# Altium PCB iotaCore.PcbDoc (continued)
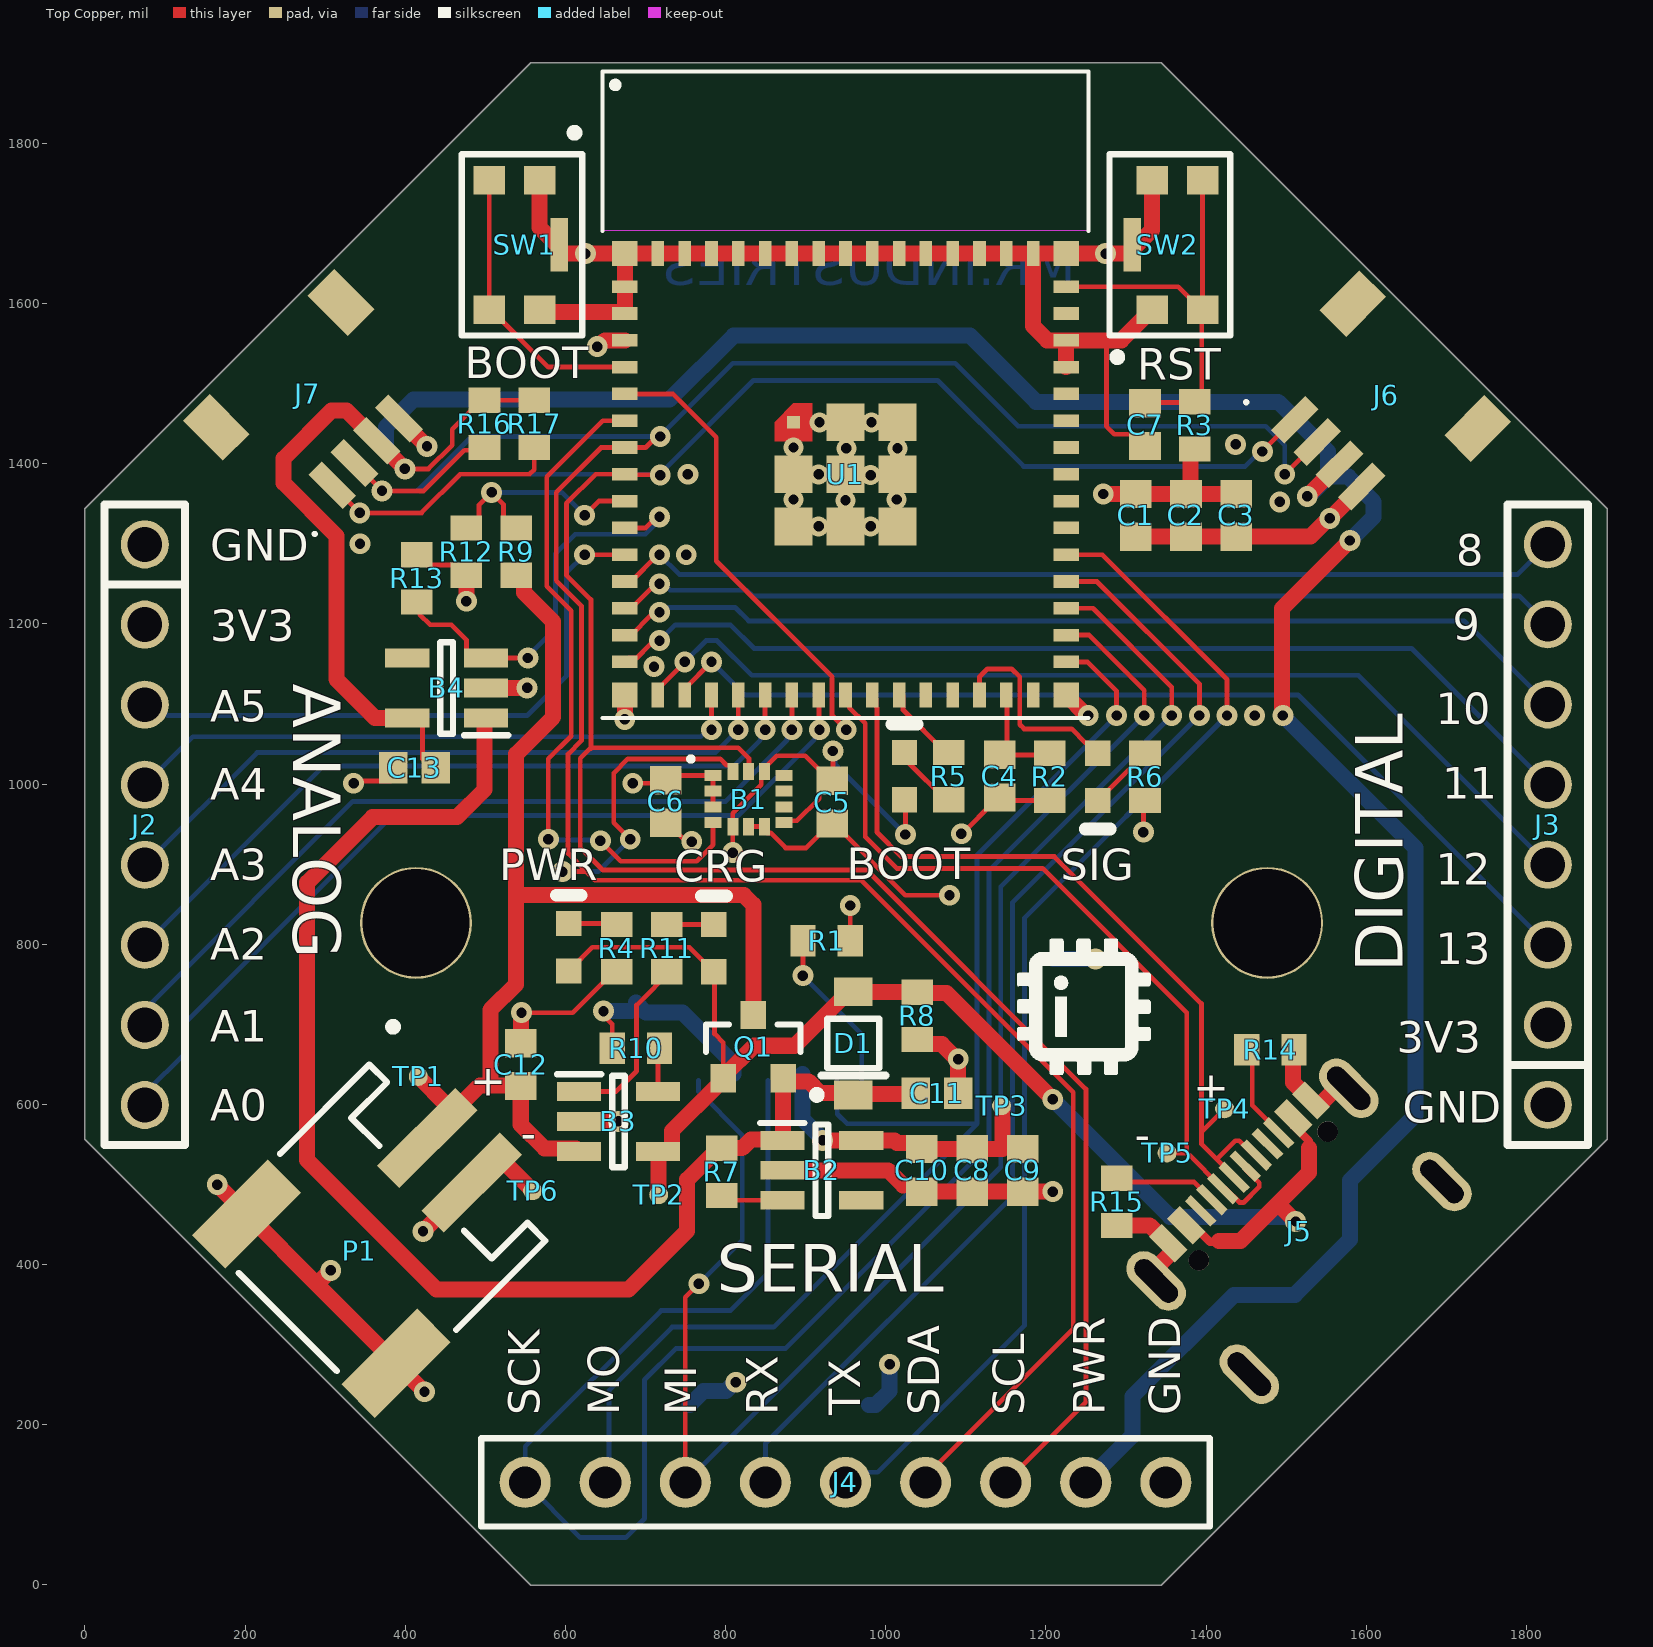
[diagram p0: Top Copper view]
## Components (designator, comment, footprint, x,y, rotation, side; value= is the part's Value field where it differs from the comment) (continued)
CRG "HSMA-C190" AVAG-HSMX-C190_V 785.43,795.28 r90 top
D1 "MBR120" ONSC-SOD-123FL-2-498-01_V 959.65,676.18 r90 top
J1 "2908-05WB-MG" FP-2908-05WB-MG-MFG 949.8,507.87 r180 bottom
J2 "PPTC081LFBN-RC" "8_PIN_100MIL - Female" 74.8,1299.21 r270 top locked
J3 "PPTC081LFBN-RC" "8_PIN_100MIL - Female" 1826.77,599.41 r90 top locked
J4 "HTSW-109-07-X-SJ" JM-9_HTSW-109-07-X-S 949.8,127.95 r0 top locked
J5 "USB4105-GF-A" USB4105-GF-A 1441.88,515.93 r45 top locked
J6 "4208" 4390 1620.08,1480.32 r135 top
J7 "4208" 4390 283.55,1482.24 r225 top
P1 "CN-1P-2M-R2" "JST- S2B-PH-SM4-TB(LF)(SN)-2_V" 359.25,434.06 r315 top
PWR "HSMA-C190" AVAG-HSMX-C190_V 604.33,796.26 r90 top
Q1 "DMG2305UX-7" FP-SOT23-MFG 834.65,672.24 r90 top
R1 "Resistor 100k +/-1% 0603 100 mW" RESC1608X55X25ML10T15 926.18,804.13 r180 top value=100k
R2 "Resistor 100k +/-1% 0603 100 mW" RESC1608X55X25ML10T15 1204.72,1008.86 r270 top value=100k
R3 "Resistor 1k +/-1% 0603 100 mW" RESC1608X55X25ML10T15 1385.83,1447.83 r90 top value=4.7k
R4 "Resistor 1k +/-1% 0603 100 mW" RESC1608X55X25ML10T15 664.37,795.28 r270 top value=4.7k
R5 "Resistor 1k +/-1% 0603 100 mW" RESC1608X55X25ML10T15 1078.74,1009.84 r90 top value=4.7k
R6 "Resistor 1k +/-1% 0603 100 mW" RESC1608X55X25ML10T15 1323.82,1008.86 r270 top value=4.7k
R7 "Resistor 100k +/-1% 0603 100 mW" RESC1608X55X25ML10T15 795.28,515.75 r270 top value=100k
R8 "Resistor 100k +/-1% 0603 100 mW" RESC1608X55X25ML10T15 1039.37,710.63 r90 top value=100k
R9 "Resistor 100k +/-1% 0603 100 mW" RESC1608X55X25ML10T15 538.39,1290.35 r270 top value=100k
R10 "Resistor 4.7k +/-1% 0603 100 mW" RESC1608X55X25ML10T15 687.99,670.28 r180 top value=4.7k
R11 "Resistor 1k +/-1% 0603 100 mW" RESC1608X55X25ML10T15 726.38,795.28 r270 top value=4.7k
R12 "Resistor 100k +/-1% 0603 100 mW" RESC1608X55X25ML10T15 476.38,1290.35 r90 top value=100k
R13 "Resistor 4.7k +/-1% 0603 100 mW" RESC1608X55X25ML10T15 414.37,1256.89 r270 top value=4.7k
R14 "Resistor 1k +/-1% 0603 100 mW" RESC1608X55X25ML10T15 1480.32,668.31 r0 top value=4.7k
R15 "Resistor 1k +/-1% 0603 100 mW" RESC1608X55X25ML10T15 1288.39,478.35 r270 top value=4.7k
R16 "Resistor 4.7k +/-1% 0603 100 mW" RESC1608X55X25ML10T15 499.02,1449.8 r270 top value=4.7k
R17 "Resistor 4.7k +/-1% 0603 100 mW" RESC1608X55X25ML10T15 561.02,1449.8 r270 top value=4.7k
SIG "HSMA-C190" AVAG-HSMX-C190_V 1264.76,1008.86 r270 top
SW1 "KMR211GLFS" FP-KMR211GLFS-MFG 536.42,1673.23 r270 top
SW2 "KMR211GLFS" FP-KMR211GLFS-MFG 1364.17,1673.23 r90 top
TP1 "TPAD6R" TP06R 416.34,634.84 r90 top
TP2 "TPAD6R" TP06R 716.54,487.2 r90 top
TP3 "TPAD6R" TP06R 1144.68,598.43 r90 top
TP4 "TPAD6R" TP06R 1423.23,594.49 r90 top
TP5 "TPAD6R" TP06R 1351.38,539.37 r90 top
TP6 "TPAD6R" TP06R 559.06,492.13 r90 top
U1 "ESP32-S3-MINI-1-N8" ESP32-S3-MINI-1-N8 949.8,1386.81 r0 top

## Footprints (in the part's own frame and the unit in brackets; to place one, negate y for a bottom-side part, rotate by r counter-clockwise, add the part's x,y. Pads: shape width x height; smd on the part's side, far side on the other; paste and mask are expansions set on the pad)
"8_PIN_100MIL - Female" [mil]
  round 60 hole 43.31: 1(0,0) 2(100,0) 3(200,0) 4(300,0) 5(400,0) 6(500,0) 7(600,0) 8(700,0)
  silkscreen extent -50,-50 750,50, body extent -60,-51 760,49, height 335
4390 [mil]
  rect 23.62x61.02 smd: 1(-58.75,95) 2(-19.38,95) 3(20,95) 4(59.37,95)
  rect 47.24x70.87 smd: MT1(-109.93,-58.55) MT2(110.55,-58.55)
  silkscreen extent 116,121 120,125, body extent -118,-93 118,102, height 128
AVAG-HSMX-C190_V [mm] "SMD, 2-Leads, Body 1.6x0.8mm, Height 0.9mm"
  rect 0.8x0.8 smd: 1(-0.75,0) 2(0.75,0)
  silkscreen extent 1.65,-0.4 1.65,0.4, body extent -0.8,-0.4 0.8,0.4, height 0.9
CAPC1608X87X35NL15T15 [mm] "Chip Capacitor, 2-Leads, Body 1.75x0.95mm, IPC Medium Density"
  rect 0.9x1 smd: 1(-0.675,0) 2(0.675,0)
  body extent -0.87,-0.48 0.87,0.48, height 0.87
ESP32-S3-MINI-1-N8 [mm]
  rect 0.8x0.4 smd: 1(-7,5.95) 2(-7,5.1) 3(-7,4.25) 4(-7,3.4) 5(-7,2.55) 6(-7,1.7) 7(-7,0.85) 8(-7,0) 9(-7,-0.85) 10(-7,-1.7) 11(-7,-2.55) 12(-7,-3.4) 13(-7,-4.25) 14(-7,-5.1) 15(-7,-5.95) 31(7,-5.95) 32(7,-5.1) 33(7,-4.25) 34(7,-3.4) 35(7,-2.55) 36(7,-1.7) 37(7,-0.85) 38(7,0) 39(7,0.85) 40(7,1.7) 41(7,2.55) 42(7,3.4) 43(7,4.25) 44(7,5.1) 45(7,5.95)
  rect 0.4x0.8 smd: 16(-5.95,-7) 17(-5.1,-7) 18(-4.25,-7) 19(-3.4,-7) 20(-2.55,-7) 21(-1.7,-7) 22(-0.85,-7) 23(0,-7) 24(0.85,-7) 25(1.7,-7) 26(2.55,-7) 27(3.4,-7) 28(4.25,-7) 29(5.1,-7) 30(5.95,-7) 46(5.95,7) 47(5.1,7) 48(4.25,7) 49(3.4,7) 50(2.55,7) 51(1.7,7) 52(0.85,7) 53(0,7) 54(-0.85,7) 55(-1.7,7) 56(-2.55,7) 57(-3.4,7) 58(-4.25,7) 59(-5.1,7) 60(-5.95,7)
  rect 1.2x1.2 smd: 61(0,0) 61_2(0,1.65) 61_3(1.65,1.65) 61_4(1.65,0) 61_5(1.65,-1.65) 61_6(0,-1.65) 61_7(-1.65,-1.65) 61_8(-1.65,0)
  rect 0.4x0.4 smd paste-1 mask+0: 61_1(-1.65,1.65)
  rect 0.8x0.8 smd: 62(-7,7) 63(-7,-7) 64(7,-7) 65(7,7)
  Top Copper region: -1.05,1.05 -2.25,1.05 -2.25,1.65 -1.65,2.25 -1.05,2.25
  Keep-Out Layer region: 7.7,7.725 -7.7,7.725 -7.7,12.775 7.7,12.775
  Keep-Out Layer region: 7.7,7.725 -7.7,7.725 -7.7,12.775 7.7,12.775
  silkscreen extent -7.7,-7.73 7.7,12.78, body extent -7.7,-7.73 7.7,12.78, height 2.55
FP-2908-05WB-MG-MFG [mm]
  rect 0.8x1.5 smd paste+0 mask+0: 1(-1.94,3.1) 2(-0.84,2.7) 3(0.26,3.1) 4(1.36,3.3) 5(2.46,3.1) 6(3.56,3.3) 7(4.66,3.1) 8(5.76,3.1)
  rect 1.4x1.9 smd paste+0 mask+0: 9(-6.6,6.95) 10(6.55,5.95)
  rect 1.8x1.4 smd paste+0 mask+0: 11(-0.75,-7.2) 12(4.95,-7.2)
  silkscreen extent -7.8,-7.68 7.08,7.68, body extent -7,-7.58 7,7.62, height 2
FP-KMR211GLFS-MFG [mm]
  rect 0.9x1 smd paste+0 mask+0: 1(-2.05,0.8) 2(2.05,0.8) 3(-2.05,-0.8) 4(2.05,-0.8)
  rect 1.7x0.55 smd paste+0 mask+0: 5(0,1.425)
  silkscreen extent -3.68,-1.68 2.88,2.15, body extent -2.3,-1.38 2.3,1.42, height 1.92
FP-SOT23-MFG [mm]
  rect 0.9x0.8 smd paste+0 mask+0: 1(-1,0.95) 2(-1,-0.95) 3(1,0)
  silkscreen extent -0.18,-1.5 0.7,1.5, body extent -1.55,-1.6 1.55,1.6, height 0.25
JM-9_HTSW-109-07-X-S [mm]
  round 1.62 hole 1.02: 1(-10.16,0) 2(-7.62,0) 3(-5.08,0) 4(-2.54,0) 5(0,0) 6(2.54,0) 7(5.08,0) 8(7.62,0) 9(10.16,0)
  silkscreen extent -11.56,-1.4 11.56,1.4, body extent -11.43,-1.24 11.43,1.24, height 8.38
"JST- S2B-PH-SM4-TB(LF)(SN)-2_V" [mm] "SMD, 2-Leads, Body 7.9x7.6mm, Pitch 2mm"
  rect 1x3.5 smd: 1(-1,3.45) 2(1,3.45)
  rect 1.5x3.4 smd: MP1(-3.35,-2.3) MP2(3.35,-2.3)
  silkscreen extent -4.39,-3.8 3.95,5.3, body extent -3.95,-3.8 3.95,4.8, height 5.6
LSM6DS3TR [mm]
  rect 0.55x0.35 smd: 1(-1.125,0.75) 2(-1.125,0.25) 3(-1.125,-0.25) 4(-1.125,-0.75) 8(1.125,-0.75) 9(1.125,-0.25) 10(1.125,0.25) 11(1.125,0.75)
  rect 0.35x0.55 smd: 5(-0.5,-0.875) 6(0,-0.875) 7(0.5,-0.875) 12(0.5,0.875) 13(0,0.875) 14(-0.5,0.875)
  silkscreen extent -1.88,1.22 -1.78,1.32, body extent -1.5,-1.25 1.5,1.25, height 0.86
ONSC-SOD-123FL-2-498-01_V [mm] "SOD, 2-Leads, Body 2.7x1.65mm"
  rect 0.91x1.22 smd: 1(-1.635,0) 2(1.635,0)
  silkscreen extent -1.76,-1.02 0.78,1.28
RESC1608X55X25ML10T15 [mm] "Chip Resistor, 2-Leads, Body 1.70x0.90mm, IPC Low Density"
  rect 0.8x1 smd: 1(-0.75,0) 2(0.75,0)
  body extent -0.85,-0.45 0.85,0.45, height 0.55
SOT95P270X145-5N [mm]
  rect 1.4x0.6 smd: 1(-1.25,0.95) 2(-1.25,0) 3(-1.25,-0.95) 4(1.25,-0.95) 5(1.25,0.95)
  silkscreen extent -1.95,-1.45 0.2,1.5, body extent -1.3,-1.45 1.4,1.45, height 1.45
TP06R [mm] "Testpoint, round, d=0.6mm"
  round 0.6 smd paste-1: 1(0,0)
USB4105-GF-A [mm]
  rect 0.575x1.15 smd: A1B12(-3.2,-0.004) A4B9(-2.4,-0.004) B1A12(3.2,-0.004) B4A9(2.4,-0.004)
  rect 0.275x1.15 smd: A5(-1.25,-0.004) A6(-0.25,-0.004) A7(0.25,-0.004) A8(1.25,-0.004) B5(1.75,-0.004) B6(0.75,-0.004) B7(-0.75,-0.004) B8(-1.75,-0.004)
  oval 1.108x2.216 hole 0.6 slot 1.7 at 90 deg: M1(-4.32,-0.579) M2(4.32,-0.579) M3(-4.32,-4.759) M4(4.32,-4.759)
  round 0.65 hole 0.65 unplated: MH1(2.875,-1.075) MH2(-2.9,-1.075)
  body extent -4.49,-7.35 4.45,0.25, height 3.28

## Part data
B1: library part CMP-084-000000-2, "DFD PROTECTION & FILTER", Manufacturer_Name=STMicroelectronics, Mouser Part Number=511-LSM6DS3TR, Arrow Part Number=LSM6DS3TR, Arrow Price/Stock=https://www.arrow.com/en/products/lsm6ds3tr/stmicroelectronics?region=nac, Datasheet Link=https://www.mouser.com/datasheet/2/389/dm00133076-1798402.pdf, Design Item ID=LSM6DS3TR, Geometry.Height=0.86mm, Manufacturer_Part_Number=LSM6DS3TR, Mouser Price/Stock=https://www.mouser.co.uk/ProductDetail/STMicroelectronics/LSM6DS3TR?qs=Ok1pvOkw6%2FrQmhGoCLrQkA%3D%3D, Source=LSM6DS3TR.SchLib
B2 B4: library part CMP-007-000001-1, "600mA 3.3V LDO Regulator Enable SOT23-5 DiodesZetex AP2112K-3.3TRG1, LDO Voltage Regulator, 3.3 V +/-1.5%, 2.5  6 Vin, 5-Pin SOT-23", Manufacturer_Name="Diodes Inc.", Mouser Part Number=621-AP2112K-3.3TRG1, Design Item ID=AP2112K-3.3TRG1, Geometry.Height=1.3mm, Manufacturer_Part_Number=AP2112K-3.3TRG1, Mouser Price/Stock=https://www.mouser.co.uk/ProductDetail/Diodes-Incorporated/AP2112K-3.3TRG1?qs=x6A8l6qLYDDPYHosCdzh%2FA%3D%3D, Source=AP2112K-3.3TRG1.SchLib
B3: library part CMP-009-000000-1, "Li-Ion Charge Controller 4.2V SOT23-5", Manufacturer_Name=Microchip, Manufacturer_Part_Number=MCP73831T-2ACI/OT, Mouser Part Number=579-MCP73831T-2ACIOT, Datasheet Link=http://ww1.microchip.com/downloads/en/DeviceDoc/20001984g.pdf, Design Item ID=MCP73831T-2ACI_OT, Geometry.Height=1.45mm, Mouser Price/Stock=https://www.mouser.co.uk/ProductDetail/Microchip-Technology-Atmel/MCP73831T-2ACI-OT?qs=yUQqVecv4qvbBQBGbHx0Mw%3D%3D, Source=MCP73831T-2ACI_OT.SchLib
BOOT CRG PWR SIG: library part CMP-007-00011-2, "LED Uni-Color Amber, 60 mW, 20 mA, -40 to 85 degC, 2-Pin SMD, RoHS, Tape and Reel", Case/Package=0603, Colour=Orange, Forward Current=20mA, Forward Voltage=1.9V, Manufacturer=Avago, Max Operating Temperature=85°C, Min Operating Temperature=-40°C, Package Description="2-Pin Surface Mount Device, Body 1.6 x 0.8 mm, Height 0.9 mm", Package Quantity=4000, Package Reference=HSMX-C190, Power=60mW, Datasheet URL=http://docs.avagotech.com/docs/AV02-0112EN, Datasheet Version=Sep-10, Illumination Colour=Orange, Lens Style=Diffused, Luminous Intensity=90mcd, Manufacturer URL=http://www.avagotech.com/, Mounting Technology=SM, Nominal Vf=1.9V, Packaging=TapeandReel, Pins=2, RoHS Compliant=True, Viewing Angle=170degrees
C1 C2 C3 C4 C7 C8 C9 C10 C11 C12 C13: library part CMP-001-00012-6, "Chip Capacitor, 10 uF, +/- 0.25 uF, 50 V, 0603 (1608 Metric)", Capacitor Type=Ceramic, Case/Package=0603, Max Operating Temperature=125°C, Min Operating Temperature=-55°C, Tolerance=0.25%, Voltage Rating=50V, Mounting Technology=SM, Pins=2, RoHS Compliant=True
C5 C6: library part CMP-001-00012-6, "Chip Capacitor, 0.1 uF, +/- 0.25 pF, 50 V, 0603 (1608 Metric)", Capacitor Type=Ceramic, Case/Package=0603, Max Operating Temperature=125°C, Min Operating Temperature=-55°C, Tolerance=0.25%, Voltage Rating=50V, Mounting Technology=SM, Pins=2, RoHS Compliant=True
D1: library part CMP-004-00031-1, "Diode", Design Item ID=MBR120, Source=MBR120.SchLib
J1: library part CMP-019-00049-1, "CONN MICRO SD CARD PUSH-PUSH R/A"
J2 J3: library part JF_8_PIN_FEMALE, "8 Position Header Connector 0.100\" (2.54mm) Through Hole Tin", LCSC Part#=C27438, Digikey Link=https://www.digikey.com/product-detail/en/PPTC081LFBN-RC/S7006-ND/810147/?itemSeq=304982354, MFR Part #=PPTC081LFBN-RC, Type=Extended
J4: library part JM_9_PIN_MALE, "2.54mm Black 1x9P Straight,P=2.54mm Pin Headers", LCSC Part#=C2894932, MFR Part #=PZ254-1-09-Z-8.5, MFR PN=HTSW-109-07-X-SJ
J5: library part CMP-013-000000-1, "USB-C 16-Pin Component", Design Item ID=USB4105-GF-A, Source=USB4105-GF-A.SchLib
J6 J7: library part CMP-002-00080-4, "Adafruit Accessories JST SH 4-pin Right Angle Connector (10-pack) - Qwiic Compatible", Manufacturer_Name=Adafruit, Datasheet Link=https://cdn-shop.adafruit.com/product-files/4390/4390_C13925-001_CCP-W20-04-BK-SMT-R-A.PDF, Design Item ID=4208, Height=7.05mm, Manufacturer_Part_Number=4208, Source=SamacSys.SchLib
P1: library part CMP-005-000001-1, Design Item ID=CN-1P-2M-R2, Source=CN-1P-2M-R2.SchLib
Q1: library part CMP001-1, "Power Field-Effect Transistor, 4.2A I(D), 20V, 0.052ohm, 1-Element, P-Channel, Silicon, Metal-oxide Semiconductor FET", Max Operating Temperature=150°C, Pins=3, RoHS Compliant=Yes
R1 R2 R7 R8 R9 R12: library part CMP-009-00023-5, "Chip Resistor, 100 KOhm, +/- 1%, 0.1 W, -55 to 155 degC, 0603 (1608 Metric)", Case/Package=0603, Max Operating Temperature=155°C, Min Operating Temperature=-55°C, Power=100mW, Tolerance=1%, Voltage Rating=50V, Mounting Technology=SM, Pins=2, RoHS Compliant=True
R3 R4 R5 R6 R11 R14 R15: library part CMP-009-00023-5, "Chip Resistor, 1 KOhm, +/- 1%, 0.1 W, -55 to 155 degC, 0603 (1608 Metric)", Case/Package=0603, Max Operating Temperature=155°C, Min Operating Temperature=-55°C, Power=100mW, Tolerance=1%, Voltage Rating=50V, Mounting Technology=SM, Pins=2, RoHS Compliant=True
R10 R13 R16 R17: library part CMP-009-00023-5, "Chip Resistor, 4.7 KOhm, +/- 1%, 0.1 W, -55 to 155 degC, 0603 (1608 Metric)", Case/Package=0603, Max Operating Temperature=155°C, Min Operating Temperature=-55°C, Power=100mW, Tolerance=1%, Voltage Rating=50V, Mounting Technology=SM, Pins=2, RoHS Compliant=True
SW1 SW2: library part CMP-011-00013-6, Design Item ID=KMR211GLFS, Source=KMR211GLFS.SchLib
TP1 TP2 TP3 TP4 TP5 TP6: library part CMP-00028-00002-2, "0.6mm round", Pins=1
U1: library part CMP-010-000006-5, "SMD module, ESP32-S3FN8, 8 MB SPI flash, PCB antenna", Case/Package="41-SMD Module", DigiKey Part Number=1965-ESP32-S3-MINI-1-N8CT-ND, Manufacturer="Espressif Systems", Max Operating Temperature=85°C, Min Operating Temperature=-40°C, Availability="In Stock", Component Type=Microcontroller, Manufacturer Part Number=ESP32-S3-MINI-1-N8, Mounting Technology="Surface Mount", Nominal Vf="3V ~ 3.6V", Pins=73, RoHS Compliant=Yes, Source=ESP32-S3-MINI-1-N8.SchLib

## Free pads (board coordinates)
  round 139.76 hole 133.86: 2(413.39,826.77) 5(1476.38,826.77)

## Via types
v1: diameter 26, hole 13, Top Copper to Bottom Copper, tented both sides, 80 vias
v2: diameter 25, hole 13, Top Copper to Bottom Copper, tented both sides, 12 vias

## Nets (pads, with @x,y where several pads share a name; then routed paths per layer and width w, separated by ;. In a path a pad name is that pad's centre, name@x,y a point inside that pad or via, vN(x,y) a via of type N, cw(c..) or ccw(c..) an arc to the next point about the centre after c; other vN are vias at no path point)
3V3: B1.5 B1.8 B1.12 B2.5 BOOT.1 C1.2 C2.2 C3.2 C5.2 C6.2 C8.2 C9.2 C10.2 J1.4 J2.2 J3.2 R1.1 R3.1 TP3.1 U1.3 | length 1220.7
  Top Copper w6: C6.2@728.35,956.69 728.35,950.79 747.16,931.98 754.05,931.98 v1(757.87,928.15) ; v1(809.06,914.37) B1.5 809.06,963.58 844.54,999.06 844.54,1012.84 B1.12@849.41,1017.72 ; B1.12@848.43,1019.69 864.17,1035.43 899.61,1035.43 916.39,1018.65 C5.2@928.15,1006.89 ; B1.8 875.36,954.1 889.14,954.1 916.96,981.92 916.96,989.22 922.82,995.08 C5.2@930.12,995.08 ; C5.2@929.13,1007.87 934.06,1012.8 v1(934.06,1041.34) ; R1.1 v1(955.71,848.43) ; BOOT.1 1024.61,979.33 v1(1024.61,937.01) ; C8.2@1111.22,545.28 C8.2@1113.19,545.28
  Top Copper w20: v1@639.42,1544.29 649.26,1554.13 U1.3 ; v1(921.26,555.12) B2.5 ; B2.5@969.72,554.89 1011.06,554.89 ; 1013.94,552.01 C10.2@1037.56,552.01 ; C10.2 C8.2@1102.36,544.29 ; C8.2 1145.67,544.29 1145.67,596.46 1145.38,596.75 TP3.1@1144.69,597.44 ; v1(1271.65,1362.2) C2.2 C3.2 ; C2.2@1380.41,1369.92 1380.41,1412.89 R3.1
  Bottom Copper w6: v1(934.06,1041.34) 936.72,1038.67 936.72,1024.89 v1(1024.61,937.01)
  Bottom Copper w20: J1.4 896.26,581.74 922.88,555.12 v1@923.23,555.12
  other v1: 639.76,1546.26
A0: J2.8 U1.22 | length 1114.5
  Top Copper w6: U1.22 916.83,1110.73 916.83,1068.41 v1(917.32,1067.91)
  Bottom Copper w6: J2.8 74.8,613.82 126.97,665.99 126.97,703.74 383.86,960.63 815.94,960.63 910.72,1055.4 910.72,1055.9 917.32,1062.5 v1(917.32,1067.91)
A1: J2.7 U1.21 | length 1019.6
  Top Copper w6: v1(882.87,1067.91) U1.21
  Bottom Copper w6: J2.7@77.76,697.83 85.14,705.21 85.14,728.84 334.65,978.35 800.2,978.35 876.76,1054.91 876.76,1056.39 882.87,1062.5 v1(882.87,1067.91)
A2: J2.6 U1.20 | length 933.2
  Top Copper w6: v1(849.41,1067.91) U1.20
  Bottom Copper w6: J2.6 298.23,1022.64 811.02,1022.64 843.3,1054.91 843.3,1056.39 849.41,1062.5 v1(849.41,1067.91)
A3: J2.5 U1.19 | length 854.3
  Top Copper w6: v1(815.94,1067.91) U1.19
  Bottom Copper w6: J2.5 214.96,1039.37 787.4,1039.37 v1(815.94,1067.91)
A4: J2.4 U1.18 | length 779.4
  Top Copper w6: v1(782.48,1067.91) U1.18
  Bottom Copper w6: J2.4 134.65,1059.06 768.97,1059.06 777.82,1067.91 v1(782.48,1067.91)
A5: J2.3 U1.11 | length 763.7
  Top Copper w6: v1(624.02,1286.42) U1.11
  Bottom Copper w6: J2.3 89.42,1099.21 103,1085.63 552.17,1085.63 601.38,1134.84 601.38,1263.78 v1(624.02,1286.42)
BOOT: SW1.3 SW1.4 U1.4 | length 357.8
  Top Copper w6: SW1.3@502.95,1750.98 504.92,1749.02 SW1.4 ; SW1.4@505.91,1593.5 578.74,1520.67 U1.4
CHRG_STAT: B3.1 R11.2 | length 228.9
  Top Copper w6: B3.1 663.39,616.14 688.98,641.73 688.98,724.04 R11.2@734.34,769.4
CS: J1.2 R1.2 U1.5 | length 1149.4
  Top Copper w6: U1.5 734.25,1487.2 788.39,1433.07 788.39,1278.54 933.07,1133.86 933.07,1085.63 v1(950.79,1067.91) ; v1(896.65,760.83) R1.2
  Signal Layer 1 w6: v1(896.65,760.83) 896.65,847.44 975.39,926.18 975.39,1044.29 951.77,1067.91 v1(950.79,1067.91)
  Bottom Copper w6: v1(896.65,760.83) 970.13,687.35 970.13,613.54 J1.2@976.38,607.28
D8: J3.8 U1.12 | length 1192.2
  Top Copper w6: U1.12 682.09,1252.95 715.55,1286.42 v1(717.52,1286.42)
  Bottom Copper w6: v1(717.52,1286.42) 742.13,1261.81 1789.17,1261.81 1818.2,1290.83 J3.8
D9: J3.7 U1.13 | length 1186.2
  Top Copper w6: U1.13 682.09,1219.49 712.6,1250 v1(717.52,1250)
  Bottom Copper w6: v1@718.5,1253.94 718.99,1253.94 730.81,1242.13 826.77,1242.13 833.86,1235.04 1791.14,1235.04 1825.39,1200.79 J3.7@1826.77,1200.79
D10: J3.6 U1.14 | length 1203
  Top Copper w6: U1.14 682.09,1186.02 v1@706.8,1210.74
  Bottom Copper w6: v1(717.52,1214.57) 722.93,1214.57 728.84,1220.47 812.01,1220.47 828.74,1203.74 1722.44,1203.74 1822.83,1103.35 J3.6@1822.83,1099.41
D11: J3.5 U1.15 | length 1252.1
  Top Copper w6: U1.15 679.09,1157.43 688.93,1157.43 705.82,1174.32 706.31,1174.32 711.12,1179.13 v1@716.54,1179.13
  Bottom Copper w6: v1@717.52,1182.09 720.47,1182.09 737.2,1198.82 806.1,1198.82 835.63,1169.29 1656.89,1169.29 J3.5
  other v1: 717.52,1179.13
D12: J3.4 U1.16 | length 1263.6
  Top Copper w6: U1.16 715.55,1119.09 720.43,1123.97 721,1123.97 749.02,1151.99 v1(749.02,1152.56)
  Bottom Copper w6: v1@746.06,1151.57 748.03,1151.57 v1(749.02,1152.56) 775.59,1179.13 789.37,1179.13 832.68,1135.83 1590.35,1135.83 1824.61,901.57 J3.4@1827.76,901.57
D13: J3.3 U1.17 | length 1245.8
  Top Copper w6: U1.17 749.02,1119.09 v1(782.48,1152.56)
  Bottom Copper w6: v1(782.48,1152.56) 823.82,1111.22 1514.96,1111.22 J3.3
D+: J5.A6 J5.B6 TP4.1 U1.24 | length 995.9
  Top Copper w6: U1.24 988.14,1106.35 988.14,1095.99 989.17,1094.96 989.17,939.96 1019.69,909.45 1210.63,909.45 1394.19,725.89 1394.19,565.45 ; TP4.1@1421.26,594.49 1421.26,592.52 1394.19,565.45 ; J5.A6@1427.17,517.72 1413.43,531.45 ; J5.B6 1459.46,536.7 1441.56,554.6 1436.59,554.6 1413.43,531.45 ; 1394.19,565.45 1394.19,550.69 1413.43,531.45
D-: J5.A7 J5.B7 TP5.1 U1.23 | length 1036.2
  Top Copper w6: U1.23 954.68,1106.35 954.68,1095.52 974.41,1075.79 974.41,934.06 1013.78,894.68 1195.87,894.68 1375.84,714.71 1375.84,540.35 ; TP5.1 1375,539.37 1375.98,540.35 ; 1375.84,540.21 J5.B7 1424.53,494.94 1441.99,477.47 1446.96,477.47 1466.42,496.93 1466.42,501.9 1449.8,518.51 J5.A7@1449.8,522.64
EN: B2.3 R7.2 | length 88.2
  Top Copper w6: R7.2@785.43,484.25 789.37,480.31 B2.3
  Top Copper w20: R7.2@789.37,488.19 R7.2@790.35,488.19
GND: B1.1 B1.2 B1.3 B1.6 B1.7 B2.2 B3.2 B4.2 C1.1 C2.1 C3.1 C4.1 C5.1 C6.1 C7.1 C8.1 C9.1 C10.1 C11.1 C12.1 C13.1 J1.6 J1.9 J1.10 J1.11 J1.12 J2.1 J3.1 J4.9 J5.A1B12 J5.B1A12 J5.M1 J5.M2 J5.M3 J5.M4 J6.1 J7.1 P1.2 P1.MP1 P1.MP2 R2.2 R4.2 R6.2 R8.1 R10.2 R12.1 R13.1 R14.2 R15.2 SW1.1 SW1.2 SW1.5 SW2.1 SW2.2 SW2.5 TP6.1 U1.1 U1.2 U1.42 U1.43 U1.46 U1.47 U1.48 U1.49 U1.50 U1.51 U1.52 U1.53 U1.54 U1.55 U1.56 U1.57 U1.58 U1.59 U1.60 U1.61 U1.61_1 U1.61_2 U1.61_3 U1.61_4 U1.61_5 U1.61_6 U1.61_7 U1.61_8 U1.62 U1.63 U1.64 U1.65 | length 4711.6
  Top Copper w6: v1(335.63,1000.98) 338.63,1003.98 381.94,1003.98 384.84,1006.89 C13.1@371.06,1020.67 ; R13.1 427.12,1273.67 459.6,1273.67 R12.1@475.39,1257.87 ; C12.1 C12.1@546.26,676.18 ; v1(545.28,714.57) 609.25,714.57 647.69,753 660.7,766.02 R4.2@661.68,766.02 ; v1(647.64,716.54) 647.64,711.12 658.46,700.3 R10.2 ; v1(684.06,1000.98) 717.52,1000.98 727.36,1010.83 780.51,1010.83 B1.1@781.5,1009.84 ; B1.1@784.45,1009.84 B1.2 784.45,973.43 B1.3@785.43,972.44 ; B1.6 B1.7@847.44,946.85 ; B1.7 848.43,942.91 852.32,939.02 856.25,939.02 875,920.28 900.59,920.28 C5.1@931.1,950.79 ; 924.21,517.72 924.21,518.7 ; C5.1@934.06,947.83 937.99,947.83 1024.61,861.22 v1(1079.72,861.22) ; v1(1094.49,937.99) 1095.47,937.99 1135.26,977.78 C4.1@1137.23,977.78 ; C4.1@1150.59,979.33 R2.2 ; R2.2@1205.71,980.32 R2.2@1207.68,980.32 ; 1275.59,1553.15 1275.59,1446.85 1285.48,1436.96 1309.1,1436.96 C7.1 ; R6.2@1308.07,967.52 1312.01,967.52 R6.2@1321.85,977.36 ; v1(1321.85,939.96) R6.2@1321.85,977.36 ; R6.2 R6.2@1321.85,977.36
  Top Copper w20: v1(165.35,499.89) P1.MP1 ; P1.MP1@203.74,461.51 289.81,375.44 ; v1(307.09,392.72) 289.81,375.44 ; J7.1@389.23,1459.6 v1(427.17,1421.67) ; v1(422.24,441.37) P1.2 ; v1(424.11,241.14) P1.MP2 289.81,375.44 ; v1(476.38,1228.35) R12.1@476.38,1257.87 ; B4.2 v1(552.17,1120.08) ; P1.2@509.84,539.37 511.81,539.37 TP6.1 ; C12.1@540.85,675.69 544.78,679.63 544.78,714.07 v1(545.28,714.57) ; SW1.2 570.71,1589.72 U1.2@668.46,1589.72 ; SW1.1 567.91,1694.88 SW1.5@590.55,1672.24 ; SW1.5 592.52,1663.23 593.35,1662.4 v1(625,1662.4) U1.62 U1.60 U1.59 U1.58 U1.57 U1.56 U1.55 U1.54 U1.53 U1.52 U1.51 U1.50 U1.49 U1.48 U1.47 U1.46 U1.65 v1(1274.61,1662.4) 1307.24,1662.4 1308.07,1663.23 SW2.5 ; B3.2 v1(666.34,578.74) ; v1(674.21,1080.71) U1.63 ; U1.2@674.21,1589.72 U1.1@674.21,1618.94 ; U1.1 U1.62@674.21,1658.46 ; B2.2 924.21,517.72 1002.95,517.72 1021.81,498.86 ; R8.1@1035.43,685.04 1045.12,675.35 1070.07,675.35 1088.93,656.5 v1(1090.55,656.5) ; C10.1 C8.1@1107.28,491.14 ; C11.1 v1@1090.55,654.62 ; C8.1 C8.1@1112.2,491.14 ; C8.1@1111.22,492.13 C8.1@1112.2,491.14 ; C8.1@1113.19,490.16 C8.1@1112.2,491.14 ; C4.1@1140.75,983.27 C4.1 ; C9.1@1169.29,491.14 C8.1@1112.2,491.14 ; C9.1 v1(1208.66,491.14) ; U1.46@1184.06,1656.65 1184.06,1571.76 1201.68,1554.13 U1.43 ; U1.64 1249.84,1086.78 1251.8,1086.78 v1(1252.95,1085.63) ; U1.42 U1.43@1225.39,1552.01 ; U1.43@1227.52,1554.13 1294.29,1554.13 1322.99,1582.83 1322.99,1584.8 1330.71,1592.52 SW2.1 ; R15.2 1329.72,448.82 J5.A1B12@1353.35,425.2 ; SW2.5@1311.02,1670.28 1332.68,1691.93 SW2.2 ; C1.1 C2.1 C3.1@1435.04,1309.06 ; J5.M1@1330.71,384.84 1330.71,388.52 J5.A1B12@1359.99,417.8 ; C3.1 1530.28,1309.06 1554.89,1333.66 v1@1556.1,1333.66 ; R14.2@1508.86,665.35 1508.86,627.12 J5.B1A12 1538.15,597.83 1540.02,597.83 1569.16,626.97 J5.M2@1577.76,626.97 ; v1@1556.31,1333.46 J6.1
  Bottom Copper w6: J1.9@1195.3,776.69 J1.9@1196.13,775.86
  Bottom Copper w20: v1(647.64,716.54) J1.10@682.09,716.54 ; J1.10@687.99,727.36 700.63,714.72 746.5,714.72 809.65,651.57 J1.6 ; J1.12 772.48,241.97 800.38,241.97 811.37,252.95 v1(812.99,252.95) ; J1.11 987.2,224.41 1004.76,241.97 1004.76,275.43 v1(1004.92,275.59) ; J1.9 v1(1261.81,781.5)
  other v1: 1460.63,1085.63 710.63,1146.65 750.98,1286.42 343.5,1300.2 1554.54,1331.69 1492.13,1352.36 752.95,1386.81 1437.01,1424.21
  other v2: 916.34,1321.85 981.3,1321.85 949.8,1354.33 884.84,1355.32 1013.78,1355.32 981.3,1385.83 916.34,1386.81 950.79,1419.29 1014.76,1419.29 884.84,1420.28 917.32,1451.77 982.28,1451.77
I2C_PWR: B4.3 R13.2 U1.10 | length 497.4
  Top Copper w6: R13.2@418.31,1215.55 418.31,1211.61 431.06,1198.87 457.63,1198.87 476.38,1180.12 B4.3@476.38,1157.48 ; B4.3 v1(553.15,1157.48) ; U1.10 677.66,1323.33 681.1,1319.88 700.19,1319.88 713.97,1333.66 v1(717.52,1333.66)
  Bottom Copper w6: v1(553.15,1157.48) 553.15,1159.45 587.6,1193.9 587.6,1287.4 612.2,1312.01 699.88,1312.01 717.52,1329.65 v1(717.52,1333.66)
INT: B1.4 U1.6 | length 856.8
  Top Copper w6: v1(578.74,931.1) 578.74,1031.5 607.28,1060.04 607.28,1216.54 576.77,1247.05 576.77,1383.86 646.65,1453.74 U1.6 ; v1(643.7,929.13) 669.29,903.54 763.78,903.54 784.45,924.21 B1.4
  Bottom Copper w6: v1(578.74,931.1) 579.72,930.12 642.72,930.12 v1(643.7,929.13)
LED1: R5.2 U1.25 | length 109.8
  Top Copper w6: U1.25@1015.75,1107.28 U1.25@1016.73,1106.3 ; U1.25@1016.73,1114.17 1021.61,1109.3 1021.61,1092.57 1074.8,1039.37 R5.2 ; R5.2@1062.99,1044.29 R5.2@1066.93,1040.35
LED2: SIG.1 U1.28 | length 257.6
  Top Copper w6: U1.28 1117.13,1133.86 1126.97,1143.7 1157.48,1143.7 1167.32,1133.86 1167.32,1074.38 1172.81,1068.9 1232.28,1068.9 1250.05,1051.13 1252.02,1051.13 1266.73,1036.42 SIG.1@1266.73,1034.45
MISO: J1.7 J4.3 U1.33 | length 1978.3
  Top Copper w6: J4.3@754.92,123.03 749.8,128.15 749.8,359.06 v1(766.73,375.98) ; U1.33 1258.86,1219.49 1357.28,1121.06 v1(1357.28,1085.63)
  Bottom Copper w6: J4.3@746.06,133.86 755.71,133.86 1143.7,521.85 1143.7,872.05 v1@1356.3,1084.65 ; J1.7 766.34,616.14 820.87,561.61 820.87,430.12 v1(766.73,375.98)
MOSI: J1.3 J4.2 U1.31 | length 1628
  Top Copper w6: U1.31 1251.97,1152.56 1288.39,1116.14 v1(1288.39,1085.63)
  Bottom Copper w6: J4.2@651.57,125.98 654.53,128.94 654.53,243.11 733.27,321.85 860.24,321.85 1114.17,575.79 ; J1.3 939.57,587.99 951.77,575.79 1114.17,575.79 ; v1(1288.39,1085.63) 1114.17,911.42 1114.17,575.79
NetB3_5: B3.5 R10.1 | length 38
  Top Copper w6: R10.1@715.55,650.59 715.55,618.11 B3.5@719.49,614.17
NetBOOT_2: BOOT.2 R5.1 | length 87.5
  Top Copper w6: BOOT.2@1010.83,1027.56 1027.56,1027.56 1074.8,980.32 R5.1
NetC4_2: C4.2 R2.1 U1.29 | length 137.8
  Top Copper w6: U1.29@1151.57,1113.19 1151.57,1045.28 C4.2 1195.87,1036.42 R2.1@1198.82,1039.37
NetCRG_2: CRG.2 R11.1 | length 56.1
  Top Copper w6: R11.1 CRG.2@782.48,824.8
NetJ5_A5: J5.A5 R15.1 | length 126.8
  Top Copper w6: R15.1 1293.31,502.95 1385.27,502.95 J5.A5@1404.95,483.27
NetJ5_B5: J5.B5 R14.1 | length 139.4
  Top Copper w6: R14.1@1452.26,669.29 1452.26,671.38 R14.1@1463.54,682.65 ; R14.1@1457.68,672.24 1457.68,598.67 1490.72,565.63 J5.B5
NetPWR_2: PWR.2 R4.1 | length 61
  Top Copper w6: PWR.2 R4.1@665.35,825.79
NetR6_1: R6.1 SIG.2 | length 84.4
  Top Copper w6: SIG.2 1307.13,1021.69 1307.13,1025.64 1318.9,1037.4 R6.1@1322.83,1037.4
RESET: C7.2 R3.2 SW2.3 SW2.4 U1.45 | length 515.3
  Top Copper w6: U1.45 1365.16,1621.06 SW2.3@1393.7,1592.52 ; C7.2@1330.71,1479.33 1333.66,1476.38 R3.2@1393.7,1476.38 ; R3.2@1393.7,1483.27 1394.68,1484.25 SW2.3@1394.68,1593.5 ; SW2.4@1393.7,1751.97 1395.67,1750 SW2.3
RX: J4.4 U1.34 | length 1441.8
  Top Copper w6: U1.34 1263.78,1252.95 1391.73,1125 v1@1391.73,1084.65
  Bottom Copper w6: J4.4 849.8,176.57 1158.46,485.24 1158.46,852.36 v1(1391.73,1085.63)
SCK: J1.5 J4.1 U1.32 | length 2360
  Top Copper w6: U1.32 1253.94,1186.02 1322.83,1117.13 v1(1322.83,1085.63)
  Bottom Copper w6: J4.1@546.26,128.94 548.82,128.94 J4.1 618.7,59.06 675.2,59.06 698.82,82.68 698.82,255.91 738.19,295.28 875,295.28 1128.94,549.21 1128.94,891.73 v1(1322.83,1085.63) ; J4.1@549.21,136.81 549.8,137.4 549.8,172.83 719.49,342.52 806.1,342.52 852.95,389.37 J1.5
SCL: B1.13 J4.7 J6.4 J7.4 R17.2 U1.8 | length 3717.1
  Top Copper w6: J7.4@305.71,1376.08 v1@342.37,1339.42 ; v1(343.2,1338.58) 420.28,1338.58 468.5,1386.81 555.12,1386.81 561.02,1392.72 R17.2 ; v1(718.5,1385.83) 718.01,1386.32 674.7,1386.32 U1.8 637.8,1386.81 601.38,1350.39 601.38,1260.83 631.89,1230.31 631.89,1044.29 631.89,1045.28 ; B1.13 829.16,1016.17 829.16,1032.06 815.94,1045.28 631.89,1045.28 ; J4.7 1250,228.15 1250,619.09 976.38,892.72 646.65,892.72 618.6,920.77 618.6,1031.99 631.89,1045.28 ; v1(1470.47,1415.35) 1510.24,1455.12 J6.4
  Bottom Copper w6: v1(343.2,1338.58) 420.28,1338.58 468.5,1386.81 717.52,1386.81 v1(718.5,1385.83) 718.5,1387.8 834.65,1503.94 1064.96,1503.94 1172.24,1396.65 1449.08,1396.65 1467.78,1415.35 v1(1470.47,1415.35)
SDA: B1.14 J4.6 J6.3 J7.3 R16.2 U1.7 | length 3882.2
  Top Copper w6: J7.3@322.83,1409.45 327.76,1409.45 v1(371.06,1366.14) 423.23,1366.14 473.85,1416.76 495.5,1416.76 R16.2 ; v1(596.46,890.75) 625,890.75 ; v1(681.1,931.1) 660.43,951.77 660.43,1013.78 678.15,1031.5 793.31,1031.5 801.23,1023.57 805.17,1023.57 809.06,1019.69 B1.14 ; v1(718.5,1434.06) 713.97,1434.06 700.19,1420.28 682.31,1420.28 678.26,1424.32 U1.7 644.68,1420.28 588.58,1364.17 588.58,1253.94 620.08,1222.44 620.08,1054.13 603.35,1037.4 603.35,913.39 625.49,891.24 636.81,879.92 969.49,879.92 1234.25,615.16 1234.25,319.88 J4.6@1045.28,130.91 ; v1(1498.29,1386.81) J6.3
  Bottom Copper w6: v1(371.06,1366.14) 415.35,1366.14 483.27,1434.06 v1(718.5,1434.06) 718.5,1435.04 809.06,1525.59 1086.61,1525.59 1165.35,1446.85 1474.41,1446.85 1498.29,1422.97 v1(1498.29,1386.81) ; v1(596.46,890.75) 640.75,890.75 v1(681.1,931.1)
TX: J4.5 U1.35 | length 1500.2
  Top Copper w6: U1.35 1270.67,1286.42 1426.18,1130.91 v1@1426.18,1084.65
  Bottom Copper w6: J4.5@936.02,129.92 947.83,129.92 J4.5 ; J4.5@942.91,140.75 944.65,139.01 976.49,139.01 978.23,140.75 990.16,140.75 1173.23,323.82 1173.23,832.68 v1(1426.18,1085.63)
VBAT: B3.3 C12.2 P1.1 Q1.3 R9.2 TP1.1 | length 1463.2
  Top Copper w16: P1.1 452.09,582.57 P1.1@452.09,599.09 ; B3.3@613.32,545.15 B3.3
  Top Copper w20: TP1.1 P1.1@452.09,599.09 ; P1.1@452.09,582.57 491.35,621.83 ; 493.15,623.63 506.4,623.63 ; R9.2@540.35,1262.8 548.07,1255.08 548.07,1239.33 584.65,1202.76 584.65,1083.66 538.39,1037.4 538.39,861.22 ; C12.2@540.95,623.63 506.4,623.63 ; C12.2@544.29,621.06 544.29,574.8 573.94,545.15 B3.3@613.32,545.15 ; Q1.3@834.65,715.55 834.65,849.5 822.93,861.22 538.39,861.22 ; 506.4,623.63 506.4,718.01 538.39,750 538.39,861.22
VBUS: B3.4 CRG.1 D1.2 J5.A4B9 J5.B4A9 PWR.1 Q1.1 R8.2 TP2.1 | length 1692.4
  Top Copper w6: PWR.1@607.28,769.69 633.85,796.26 754.92,796.26 CRG.1@784.94,766.24 ; CRG.1@786.42,763.36 786.42,687.99 797.24,677.17 Q1.1@797.24,634.84
  Top Copper w10: J5.A4B9 1384.12,449 1404.97,428.15 1416.34,428.15 ; J5.B4A9 1508.81,573.87 1528.54,554.13 1528.54,545.28
  Top Copper w20: B3.4 731.3,541.34 733.11,543.15 733.11,566.77 Q1.1@791.5,625.16 ; TP2.1 B3.4@716.54,540.35 ; Q1.1 797.24,634.84 835.63,673.23 886.22,673.23 D1.2@957.09,744.09 ; D1.2 R8.2@1038.98,740.55 ; R8.2@1043.31,740.16 R8.2 1040.58,738.94 1076.02,738.94 v1@1207.51,607.45 ; 1416.34,429.13 1442.91,429.13 1528.54,514.76 ; 1491.08,474.47 v1(1511.81,453.74) ; 1528.54,516.76 1528.54,545.28
  Bottom Copper w20: v1(1208.66,606.3) 1355.31,459.65 1505.91,459.65 v1(1511.81,453.74)
VDIV: R9.1 R12.2 U1.9 | length 303.9
  Top Copper w6: R12.2 479.57,1319.88 492.32,1332.63 492.32,1348.62 v1(507.87,1364.17) 522.64,1349.41 522.64,1331.69 534.45,1319.88 R9.1 ; v1(624.02,1335.63) 641.73,1353.35 U1.9
  Bottom Copper w6: v1(507.87,1364.17) 595.47,1364.17 v1(624.02,1335.63)
VHI: B2.1 B4.1 C11.2 D1.1 Q1.2 R7.1 | length 1734.5
  Top Copper w20: 499.02,1007.87 499.02,993.11 464.57,958.66 359.25,958.66 277.56,876.97 277.56,530.51 438.98,369.09 679.13,369.09 752.13,442.09 752.13,506.07 791.34,545.28 820.87,545.28 831.69,556.1 B2.1@871.06,556.1 ; 499.18,1007.87 499.18,1081.86 B4.1@499.51,1082.18 ; B2.1@872.05,556.1 Q1.2 876.21,628.71 903.77,628.71 917.98,614.5 956.96,614.5 D1.1 ; D1.1@960.83,612.99 1037.2,612.99 C11.2@1040.35,616.14
VSENSOR: B4.5 C13.2 J4.8 J6.2 J7.2 R16.1 R17.1 | length 3953.4
  Top Copper w6: B4.5@378.94,1082.68 B4.5@390.84,1082.68 ; v1(399.61,1393.55) 428.98,1393.55 458.66,1423.23 458.66,1442.91 482.33,1466.58 R16.1@496.06,1480.32 ; B4.5 412.96,1082.68 421.77,1073.87 421.77,1031.3 C13.2@427.17,1025.91 ; R16.1 R17.1
  Top Copper w20: J7.2@361.39,1431.76 326.62,1466.54 308.07,1466.54 248.03,1406.5 248.03,1375.98 313.98,1310.04 313.98,1130.91 362.2,1082.68 B4.5@377.95,1082.68 ; J7.2@373.45,1419.71 v1(399.61,1393.55) ; v1(1496.06,1085.63) 1495.08,1086.61 1495.08,1219.49 v1(1579.72,1304.13) ; v1(1526.42,1359.25) J6.2@1561.93,1394.76
  Bottom Copper w20: v1(399.61,1393.55) 375.98,1417.17 375.98,1445.87 410.43,1480.32 730.31,1480.32 810.04,1560.04 1105.32,1560.04 1187.99,1477.36 1490.16,1477.36 1552.17,1415.35 1552.17,1386.62 ; J4.8 1308.07,186.22 1308.07,235.24 1435.04,362.2 1510.83,362.2 1579.72,431.1 1579.72,504.92 1661.42,586.61 1661.42,920.28 v1(1496.06,1085.63) ; v1(1526.42,1359.25) 1528.05,1359.25 1552.65,1383.86 1577.76,1383.86 1609.25,1352.36 1609.25,1333.66 v1(1579.72,1304.13)
pads on no net: B1.9 B1.10 B1.11 B2.4 B4.4 J1.1 J1.8 J5.A8 J5.B8 J5.MH1 J5.MH2 J6.MT1 J6.MT2 J7.MT1 J7.MT2 U1.26 U1.27 U1.30 U1.36 U1.37 U1.38 U1.39 U1.40 U1.41 U1.44

## Polygon pours and split planes (outlines as drawn)
GND on Signal Layer 1 "GND PLANE" (solid, pour order 11): 0,0 0,1900.62 1900.92,1900.62 1900.92,0
3V3 on Signal Layer 2 "3V3 PLANE" (solid, pour order 3): 0,0 0,1900.62 1900.92,1900.62 1900.92,0

## Keep-outs
Signal Layer 2:
  circle w59.06: c537.62,603.7 r19.68
  circle w59.06: c403.99,567.51 r19.68
  circle w59.06: c501.43,470.08 r19.68

## Other copper
Bottom Copper:
  text "MR.INDUSTRIES" at 1237.11,1623.19 h47.24

## Silkscreen, mask and mechanical layers (free items; w line width, h text height)
Top Overlay:
  drawing of 3 lines, arcs and shapes, not listed
  text "BOOT" at 474.63,1507.05 h39.37
  text "RST" at 1314.18,1505.08 h39.37
  text "GND" at 156.7,1278.7 h39.37
  text "8" at 1712.73,1272.8 h39.37
  text "9" at 1707.8,1179.29 h39.37
  text "3V3" at 156.65,1178.31 h39.37
  text "ANALOG" at 260,1125.05 h59.06 r270
  text "A5" at 156.65,1077.91 h39.37
  text "10" at 1686.87,1074.96 h39.37
  text "11" at 1695.07,981.46 h39.37
  text "A4" at 156.65,980.47 h39.37
  text "A3" at 156.65,880.08 h39.37
  text "12" at 1686.87,874.17 h39.37
  text "A2" at 156.7,780.67 h39.37
  text "13" at 1686.82,774.76 h39.37
  text "DIGITAL" at 1645.51,764.73 h59.06 r90
  text "A1" at 156.65,678.31 h39.37
  text "3V3" at 1637.95,664.53 h39.37
  text "+" at 481.46,610.72 h39.37
  text "+" at 1384.02,602.85 h39.37
  text "A0" at 156.65,579.88 h39.37
  text "GND" at 1645.87,576.93 h39.37
  text "-" at 544.45,544.46 h39.37
  text "-" at 1311.18,542.49 h39.37
  text "SERIAL" at 789.32,366.3 h59.06
  text "SCK" at 567.76,211.77 h39.37 r90
  text "MO" at 667.17,211.77 h39.37 r90
  text "MI" at 763.62,211.77 h39.37 r90
  text "RX" at 865,211.77 h39.37 r90
  text "TX" at 968.35,211.77 h39.37 r90
  text "SDA" at 1066.77,211.77 h39.37 r90
  text "SCL" at 1173.07,211.77 h39.37 r90
  text "PWR" at 1273.46,211.77 h39.37 r90
  text "GND" at 1367.95,211.77 h39.37 r90
Bottom Overlay:
  drawing of 18 lines, arcs and shapes, not listed
  text "iotaCore" at 1312.25,1751.97 h90
  text "REV 2.0" at 1077.71,1696.98 h39.37
  text "ESP32-S3 BOOT / INSTRUCTIONS: / 1. Hold down BOOT / 2. Tap RST / 3. Release BOOT / 4. BOOT LED should now be illuminated" at 1746.06,675.24 h39.37
  text "3.3V ONLY!!!" at 108.27,648.01 h50 r270
  text "BOARD DESIGN BY:  / GEOFF MCINTYRE" at 513.55,93.73 h39.37 r315
Bottom Mask:
  text "MR.INDUSTRIES" at 1237.11,1622.2 h47.24
Mechanical 1:
  lines w0.5: 556.74,-0.33 1344.14,-0.33